# Altium PCB Arduino_FPGA_Shield.PcbDoc (part 1 of 2) (continued)
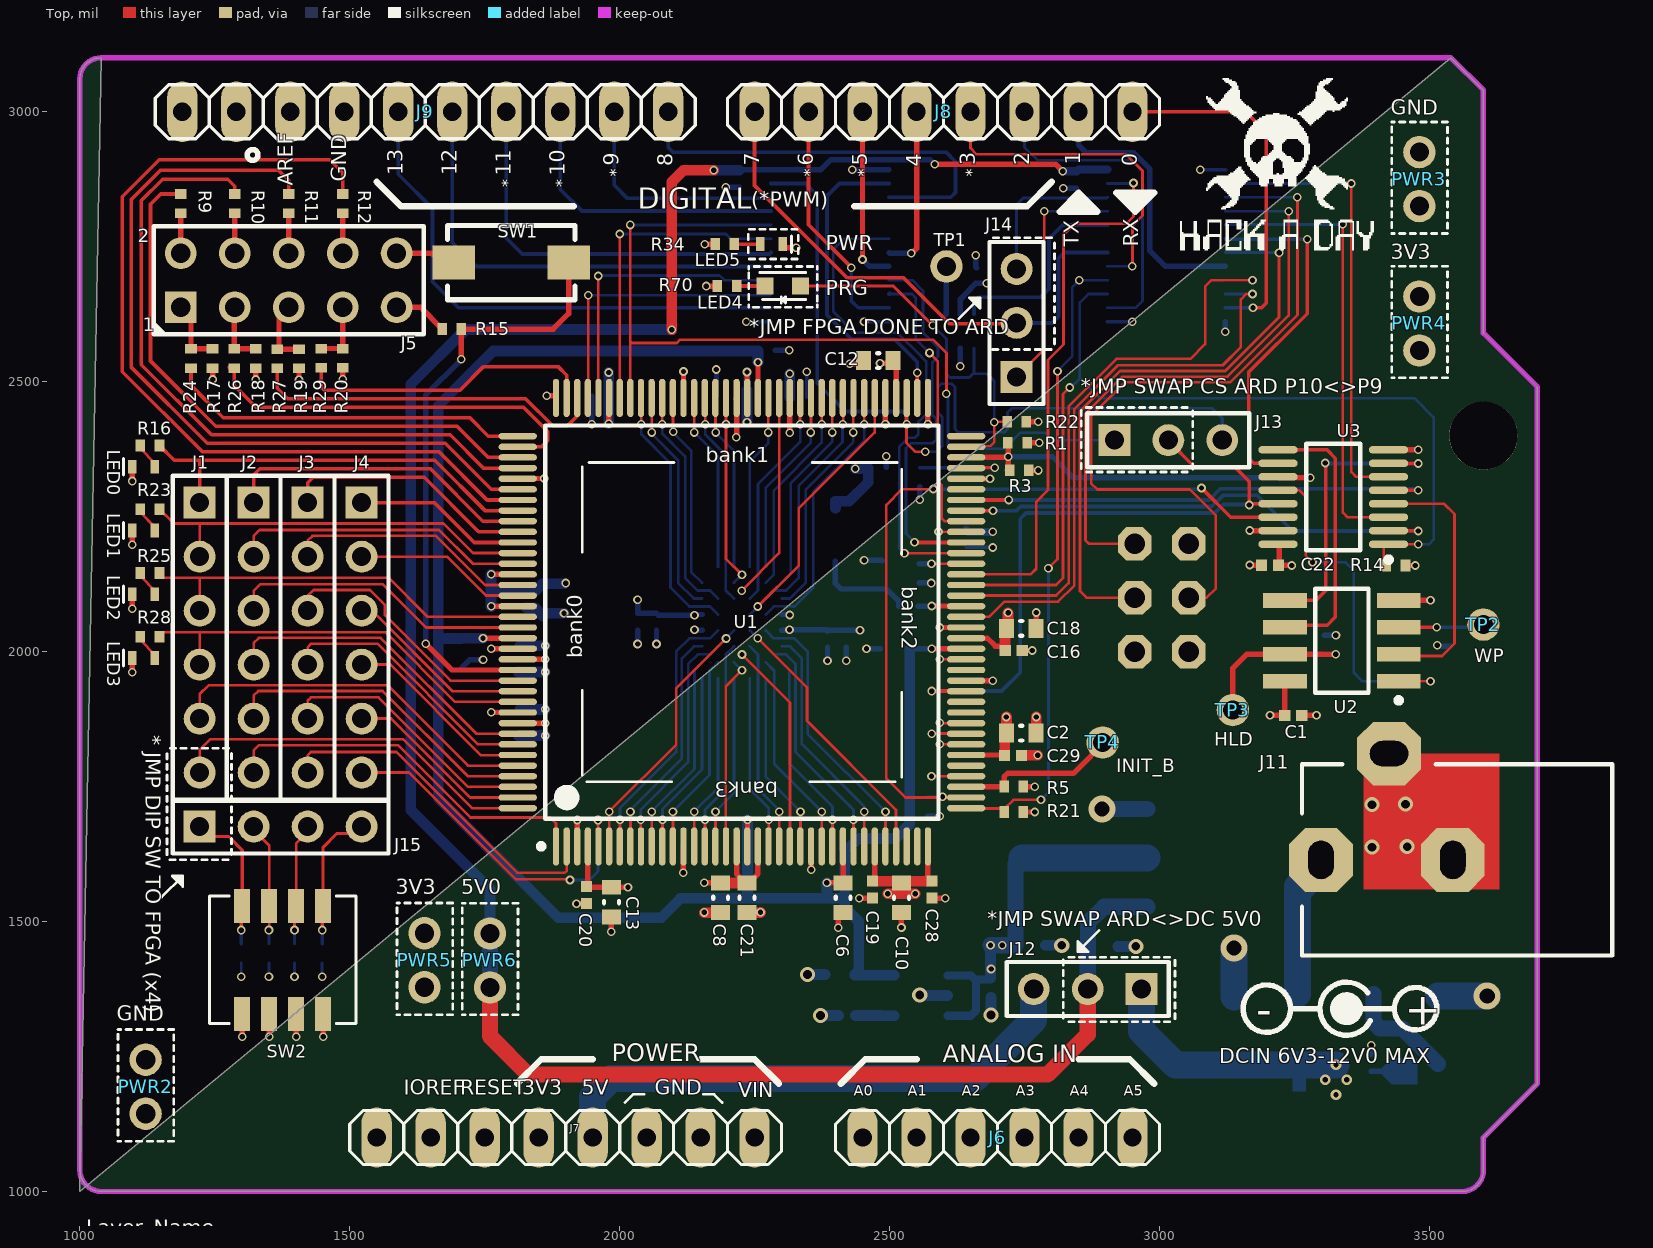
[diagram p0: Top view]
## Footprints (in the part's own frame and the unit in brackets; to place one, negate y for a bottom-side part, rotate by r counter-clockwise, add the part's x,y. Pads: shape width x height; smd on the part's side, far side on the other; paste and mask are expansions set on the pad)
1X06 [mil] "1X06"
  oval 56x112 hole 34: 1(-250,0) 2(-150,0) 3(-50,0) 4(50,0) 5(150,0) 6(250,0)
  silkscreen extent -300,-50 300,50, body extent -300,-50 300,50, height 335
1X08 [mil] "1X08"
  oval 56x112 hole 34: 1(-350,0) 2(-250,0) 3(-150,0) 4(-50,0) 5(50,0) 6(150,0) 7(250,0) 8(350,0)
  silkscreen extent -400,-50 400,50, body extent -400,-50 400,50, height 335
1X10@1 [mil] "1X10@1"
  oval 56x112 hole 34: 1(-450,0) 2(-350,0) 3(-250,0) 4(-150,0) 5(-50,0) 6(50,0) 7(150,0) 8(250,0) 9(350,0) 10(450,0)
  silkscreen extent -500,-50 500,50, body extent -500,-50 500,50, height 335
2X03 [mil] "2X03"
  oct 62x62 hole 38: 1(-100,50) 2(-100,-50) 3(0,50) 4(0,-50) 5(100,50) 6(100,-50)
  silkscreen extent -150,-100 150,100, body extent -150,-100 150,100, height 119
ADTSM32RVTR [mm] "ADTSM32RVTR SWITCH, TACTILE, SPST-NO, 50mA, 12VDC SMD"
  rect 2x1.6 smd: 1(-2.7,0) 2(2.7,0)
  silkscreen extent -3,-1.75 3,1.75, body extent -3.6,-1.75 3.6,1.75, height 4
AVX-CAPC3528_V [mm] "SMT Capacitor, 2 Leads, Body 3.5x2.8mm"
  rect 2x2.2 smd: 1(-1.6,0) 2(1.6,0)
  silkscreen extent -3,-1.7 3.05,1.7, body extent -1.79,-1.54 1.8,1.54, height 1.9
CAPC0402(1005)33_L [mm] "Chip Capacitor, Body 1.0x0.5mm, Height 0.33mm, IPC High Density"
  rect 0.52x0.52 smd: 1(-0.4,0) 2(0.4,0)
  body extent -0.55,-0.3 0.55,0.3, height 0.33
CAPC0402(1005)60_L [mm] "Chip Capacitor, Body 1.0x0.5mm, Height 0.6mm, IPC High Density"
  rect 0.52x0.52 smd: 1(-0.4,0) 2(0.4,0)
  body extent -0.55,-0.3 0.55,0.3, height 0.6
CAPC0603(1608)55_L [mm] "Chip Capacitor, Body 1.6x0.8mm, Height 0.55mm, IPC High Density"
  rect 0.7x0.9 smd: 1(-0.7,0) 2(0.7,0)
  silkscreen extent -0.05,-0.35 0.05,0.35, body extent -0.87,-0.47 0.88,0.48, height 0.55
CHS-04A1 [mm]
  rect 0.76x1.6 smd: 1(1.54,5.54) 2(1.54,0.46) 3(2.81,5.54) 4(2.81,0.46) 5(4.08,5.54) 6(4.08,0.46) 7(5.35,5.54) 8(5.35,0.46)
  silkscreen extent 0,0 6.9,6, body extent 0,-0.2 6.9,6.2, height 2.75
DO-214AC [mm] "SMA, 2-Leads, Body 4.245x2.665mm, Height 2.29mm"
  rect 1.7x1.68 smd: 1(-1.79,0) 2(1.79,0)
  silkscreen extent -2.12,-1.33 2.12,2.06, body extent -2.57,-1.33 2.57,1.33, height 2.29
HDR1X3 [mm] "Connector; Header; 3 Position"
  rect 1.5x1.5 hole 0.9: 1(0,0)
  round 1.5 hole 0.9: 2(2.54,0) 3(5.08,0)
  silkscreen extent -1.27,-1.27 6.35,1.27, body extent -1.17,-1.25 6.45,1.25, height 8.22
HDR1X4 [mm] "Connector; Header; 4 Position"
  rect 1.5x1.5 hole 0.9: 1(0,0)
  round 1.5 hole 0.9: 2(2.54,0) 3(5.08,0) 4(7.62,0)
  silkscreen extent -1.27,-1.27 8.89,1.27, body extent -1.17,-1.25 8.99,1.25, height 8.2
HDR1X6 [mm] "Connector; Header; 6 Position"
  rect 1.5x1.5 hole 0.9: 1(0,0)
  round 1.5 hole 0.9: 2(2.54,0) 3(5.08,0) 4(7.62,0) 5(10.16,0) 6(12.7,0)
  silkscreen extent -1.27,-1.27 13.97,1.27, body extent -1.17,-1.25 14.07,1.25, height 8.2
HDR2X5 [mm] "Connector; Header; 5x2 Position"
  rect 1.5x1.5 hole 0.9: 1(0,0)
  round 1.5 hole 0.9: 2(0,2.54) 3(2.54,0) 4(2.54,2.54) 5(5.08,0) 6(5.08,2.54) 7(7.62,0) 8(7.62,2.54) 9(10.16,0) 10(10.16,2.54)
  silkscreen extent -1.27,-1.27 11.43,3.81, body extent -1.27,-1.27 11.43,3.81, height 8.5
HOSC-L500HW320H105-4_2 [mm] "Quartz Crystal, Body 5.0 x 3.2 mm, Height 1.05mm"
  rect 1.2x0.9 smd: 1(-1.25,-1.1) 2(1.25,-1.1) 3(1.25,1.1) 4(-1.25,1.1)
  silkscreen extent -2.03,-2.28 0.25,1.6, body extent -2.5,-1.6 2.5,1.6, height 1
ISSI-TF-BGA-48-6000X8000DE [mm] "BGA, 48-Balls, Body 8x6mm, Pitch 0.75mm"
  round 0.3 smd: A1(-1.875,2.625) A2(-1.125,2.625) A3(-0.375,2.625) A4(0.375,2.625) A5(1.125,2.625) A6(1.875,2.625) B1(-1.875,1.875) B2(-1.125,1.875) B3(-0.375,1.875) B4(0.375,1.875) B5(1.125,1.875) B6(1.875,1.875) C1(-1.875,1.125) C2(-1.125,1.125) C3(-0.375,1.125) C4(0.375,1.125) C5(1.125,1.125) C6(1.875,1.125) D1(-1.875,0.375) D2(-1.125,0.375) D3(-0.375,0.375) D4(0.375,0.375) D5(1.125,0.375) D6(1.875,0.375) E1(-1.875,-0.375) E2(-1.125,-0.375) E3(-0.375,-0.375) E4(0.375,-0.375) E5(1.125,-0.375) E6(1.875,-0.375) F1(-1.875,-1.125) F2(-1.125,-1.125) F3(-0.375,-1.125) F4(0.375,-1.125) F5(1.125,-1.125) F6(1.875,-1.125) G1(-1.875,-1.875) G2(-1.125,-1.875) G3(-0.375,-1.875) G4(0.375,-1.875) G5(1.125,-1.875) G6(1.875,-1.875) H1(-1.875,-2.625) H2(-1.125,-2.625) H3(-0.375,-2.625) H4(0.375,-2.625) H5(1.125,-2.625) H6(1.875,-2.625)
  silkscreen extent -3.72,-4 3,4, body extent -3,-4 3,4, height 1.1
JMP1X2 [mil]
  round 60 hole 35.5: 1(0,0) 2(0,-100)
  silkscreen extent -51,-151 52,56, body extent -49,-154 49,46, height 323
LDC08A [mm] "PSON, 8-Leads, Body 4x4mm, Pitch 0.8mm, NSC Recommended"
  rect 0.5x0.3 smd paste-0.15 mask+0.051: 1(-1.65,1.2) 2(-1.65,0.4) 3(-1.65,-0.4) 4(-1.65,-1.2) 5(1.65,-1.2) 6(1.65,-0.4) 7(1.65,0.4) 8(1.65,1.2)
  rect 2.2x3 smd paste-1.5 mask+0.051: 9(0,0)
  silkscreen extent -2.88,-2.2 2.2,2.2, body extent -2.05,-2.05 2.05,2.05, height 0.8
LED0603 [mm]
  rect 0.8x0.8 smd: 1(0,0) 2(1.651,0)
  silkscreen extent -0.25,-0.64 1.91,0.8, body extent 0,-0.45 1.7,0.45, height 0.9
LED_0402 [mm]
  rect 0.4x0.65 smd: 1(-0.525,0) 2(0.525,0)
  silkscreen extent 0.94,-0.38 0.94,0.38, body extent -0.52,-0.25 0.48,0.25, height 0.44
ONSC-SOT23-5_M [mm] "SOT23, 5-Leads, Body 2.90x1.6mm, Pitch 0.95mm, IPC Low Density"
  rect 1.6x0.65 smd: 1(-1.25,0.95) 2(-1.25,0) 3(-1.25,-0.95) 4(1.25,-0.95) 5(1.25,0.95)
  silkscreen extent -1.38,1.7 -1.13,1.95, body extent -0.8,-1.45 0.8,1.45, height 1
PJ-102AH [mm]
  oct 3x3 hole 1.2 slot 1.8 at 90 deg: 1(0,0) 2(6.2,0)
  oct 3x3 hole 1.2 slot 1.8 at 0 deg: 3(3.2,5)
  silkscreen extent -0.9,-4.5 13.7,4.5, body extent -0.61,-4.49 13.79,4.91, height 11.02
RESC0402(1005)40_L [mm] "Chip Resistor, Body 1.0x0.5mm, IPC High Density"
  rect 0.45x0.55 smd: 1(-0.45,0) 2(0.45,0)
  body extent -0.52,-0.27 0.53,0.28, height 0.4
RESC0402(1005)_L [mm] "Chip Resistor, Body 1.0x0.5mm, IPC High Density"
  rect 0.45x0.55 smd: 1(-0.45,0) 2(0.45,0)
  body extent -0.52,-0.27 0.53,0.28, height 0.4
SOT230P700X180-4L [mm] "SOT223, 4-Leads, Body 6.50x7.00mm (avg), Pitch 2.30mm, IPC High Density"
  rect 1.9x0.8 smd: 1(-2.95,2.3) 2(-2.95,0) 3(-2.95,-2.3)
  rect 1.9x3.1 smd: 4(2.95,0)
  silkscreen extent -3.08,-3.35 1.7,3.37, body extent -1.85,-3.35 1.85,3.35, height 1.8
SPANSION-SOIC127P600X175-8M [mm] "SOIC, 8-Leads, Body 4.90x3.95mm, Pitch 1.27mm, IPC Low Density"
  rect 2.05x0.7 smd: 1(-2.675,1.905) 2(-2.675,0.635) 3(-2.675,-0.635) 4(-2.675,-1.905) 5(2.675,-1.905) 6(2.675,-0.635) 7(2.675,0.635) 8(2.675,1.905)
  silkscreen extent -2.8,-2.45 1.25,2.93, body extent -3,-2.45 3,2.45, height 1.72
TESTPOINT_TH [mil]
  round 60 hole 35.5: 1(0,0)
TI-DBQ16_N [mm] "SOP, 16-Leads, Body 4.9x3.9mm, Pitch 0.635mm, IPC Medium Density"
  oval 1.85x0.35 smd: 1(-2.6,2.222) 2(-2.6,1.587) 3(-2.6,0.952) 4(-2.6,0.317) 5(-2.6,-0.318) 6(-2.6,-0.953) 7(-2.6,-1.588) 8(-2.6,-2.223) 9(2.6,-2.222) 10(2.6,-1.587) 11(2.6,-0.952) 12(2.6,-0.317) 13(2.6,0.318) 14(2.6,0.953) 15(2.6,1.588) 16(2.6,2.223)
  silkscreen extent -2.73,-2.5 1.28,3.07, body extent -3.01,-2.49 3.01,2.49, height 1.75
TI-DCK6_L [mm] "SOP, 6-Leads, Body 2x1.25mm, Pitch 0.65mm, IPC High Density"
  oval 1.2x0.35 smd: 1(-0.8,0.65) 2(-0.8,0) 3(-0.8,-0.65) 4(0.8,-0.65) 5(0.8,0) 6(0.8,0.65)
  silkscreen extent -0.92,-1.1 0.2,1.5, body extent -1.05,-1 1.05,1, height 0.93
TQG144_N [mm] "Thin QFP, 144-Leads, Body 20x20mm, Pitch 0.5mm, IPC Medium Density"
  oval 1.8x0.3 smd: 1(-10.55,8.75) 2(-10.55,8.25) 3(-10.55,7.75) 4(-10.55,7.25) 5(-10.55,6.75) 6(-10.55,6.25) 7(-10.55,5.75) 8(-10.55,5.25) 9(-10.55,4.75) 10(-10.55,4.25) 11(-10.55,3.75) 12(-10.55,3.25) 13(-10.55,2.75) 14(-10.55,2.25) 15(-10.55,1.75) 16(-10.55,1.25) 17(-10.55,0.75) 18(-10.55,0.25) 19(-10.55,-0.25) 20(-10.55,-0.75) 21(-10.55,-1.25) 22(-10.55,-1.75) 23(-10.55,-2.25) 24(-10.55,-2.75) 25(-10.55,-3.25) 26(-10.55,-3.75) 27(-10.55,-4.25) 28(-10.55,-4.75) 29(-10.55,-5.25) 30(-10.55,-5.75) 31(-10.55,-6.25) 32(-10.55,-6.75) 33(-10.55,-7.25) 34(-10.55,-7.75) 35(-10.55,-8.25) 36(-10.55,-8.75) 73(10.55,-8.75) 74(10.55,-8.25) 75(10.55,-7.75) 76(10.55,-7.25) 77(10.55,-6.75) 78(10.55,-6.25) 79(10.55,-5.75) 80(10.55,-5.25) 81(10.55,-4.75) 82(10.55,-4.25) 83(10.55,-3.75) 84(10.55,-3.25) 85(10.55,-2.75) 86(10.55,-2.25) 87(10.55,-1.75) 88(10.55,-1.25) 89(10.55,-0.75) 90(10.55,-0.25) 91(10.55,0.25) 92(10.55,0.75) 93(10.55,1.25) 94(10.55,1.75) 95(10.55,2.25) 96(10.55,2.75) 97(10.55,3.25) 98(10.55,3.75) 99(10.55,4.25) 100(10.55,4.75) 101(10.55,5.25) 102(10.55,5.75) 103(10.55,6.25) 104(10.55,6.75) 105(10.55,7.25) 106(10.55,7.75) 107(10.55,8.25) 108(10.55,8.75)
  oval 0.3x1.8 smd: 37(-8.75,-10.55) 38(-8.25,-10.55) 39(-7.75,-10.55) 40(-7.25,-10.55) 41(-6.75,-10.55) 42(-6.25,-10.55) 43(-5.75,-10.55) 44(-5.25,-10.55) 45(-4.75,-10.55) 46(-4.25,-10.55) 47(-3.75,-10.55) 48(-3.25,-10.55) 49(-2.75,-10.55) 50(-2.25,-10.55) 51(-1.75,-10.55) 52(-1.25,-10.55) 53(-0.75,-10.55) 54(-0.25,-10.55) 55(0.25,-10.55) 56(0.75,-10.55) 57(1.25,-10.55) 58(1.75,-10.55) 59(2.25,-10.55) 60(2.75,-10.55) 61(3.25,-10.55) 62(3.75,-10.55) 63(4.25,-10.55) 64(4.75,-10.55) 65(5.25,-10.55) 66(5.75,-10.55) 67(6.25,-10.55) 68(6.75,-10.55) 69(7.25,-10.55) 70(7.75,-10.55) 71(8.25,-10.55) 72(8.75,-10.55) 109(8.75,10.55) 110(8.25,10.55) 111(7.75,10.55) 112(7.25,10.55) 113(6.75,10.55) 114(6.25,10.55) 115(5.75,10.55) 116(5.25,10.55) 117(4.75,10.55) 118(4.25,10.55) 119(3.75,10.55) 120(3.25,10.55) 121(2.75,10.55) 122(2.25,10.55) 123(1.75,10.55) 124(1.25,10.55) 125(0.75,10.55) 126(0.25,10.55) 127(-0.25,10.55) 128(-0.75,10.55) 129(-1.25,10.55) 130(-1.75,10.55) 131(-2.25,10.55) 132(-2.75,10.55) 133(-3.25,10.55) 134(-3.75,10.55) 135(-4.25,10.55) 136(-4.75,10.55) 137(-5.25,10.55) 138(-5.75,10.55) 139(-6.25,10.55) 140(-6.75,10.55) 141(-7.25,10.55) 142(-7.75,10.55) 143(-8.25,10.55) 144(-8.75,10.55)
  silkscreen extent -10.67,-9.25 9.25,9.57, body extent -11,-11 11,11, height 1.73
TSOP65P620X120-24N [mm] "TSOP, 24-Leads, Body 7.80x4.35mm, Pitch 0.65mm, IPC Medium Density"
  rect 1.55x0.35 smd mask+0.07: 1(-2.775,3.575) 2(-2.775,2.925) 3(-2.775,2.275) 4(-2.775,1.625) 5(-2.775,0.975) 6(-2.775,0.325) 7(-2.775,-0.325) 8(-2.775,-0.975) 9(-2.775,-1.625) 10(-2.775,-2.275) 11(-2.775,-2.925) 12(-2.775,-3.575) 13(2.775,-3.575) 14(2.775,-2.925) 15(2.775,-2.275) 16(2.775,-1.625) 17(2.775,-0.975) 18(2.775,-0.325) 19(2.775,0.325) 20(2.775,0.975) 21(2.775,1.625) 22(2.775,2.275) 23(2.775,2.925) 24(2.775,3.575)
  silkscreen extent -2.9,-3.95 1.6,4.42, body extent -2.2,-3.95 2.2,3.95, height 1.2

## Part data
C1 C22 C25 C30 C35 C39 C101: library part "CAP 100nF 16V ?0% 0402 (1005 Metric) Thickness 0.6mm SMD"
C2 C5 C6 C7 C8 C9 C10 C11 C12 C13 C14 C15 C18 C21 C33 C34: library part "CAP 4.7uF 10V ?0% 0603 (1608 Metric) Thickness 0.55mm SMD"
C3 C4 C16 C17 C19 C20 C26 C27 C28 C29: library part "CAP 470nF 10V ?0% 0402 (1005 Metric) Thickness 0.6mm SMD"
C23 C24: library part CMP-0279-00001-1, "Capacitor, Tantalum, 10uF 10% 20V MCCT-B (3528)"
C31 C32 C38: library part CMP-1034-01875-1, "CAP 10nF 16V ?0% 0402 (1005 Metric) Thickness 0.33mm SMD"
C36: library part CMP-1034-02119-1, "CAP 1uF 16V ?0% 0402 (1005 Metric) Thickness 0.6mm SMD"
C37: library part CMP-1035-02762-1, "CAP 2.2uF 16V ?0% 0603 (1608 Metric) Thickness 0.55mm SMD"
C60: library part CMP-1034-02064-1, "CAP 100nF 10V ?% 0402 (1005 Metric) Thickness 0.6mm SMD"
D1: "Fairchild S1G General Purpose Rectifier"
J2 J3 J4: library part 6-POS-HDR
J5: "Header, 5-Pin, Dual row"
J6: "Header, 6-Pin"
J7 J8: "Header, 8-Pin"
J9: "Header, 10-Pin"
J10: "Header, 3-Pin, Dual row"
J11: library part POWER-CONNECTOR-3, "Connector, 3 Conductor Power Jack"
J12 J13 J14: "3-Way Jumper - Center Output"
J15: library part 4-POS-HDR
LED0 LED1 LED2 LED3 LED5: library part CMP-0201-0013, "0402 LED,RED"
LED4: "SMD 0603 LED, GREEN"
PWR2 PWR3 PWR4 PWR5 PWR6: library part JMP1X2, "Standard 2 Pin Jumper, 100mil spacing"
R1 R3: library part "0402 (1005 Metric) 1/16 W 100R 1 Thick Film Chip Resistor"
R2 R5 R6 R7 R8 R14 R15 R17 R18 R19 R20 R21 R30 R31 R32 R33: library part "0402 (1005 Metric) 1/16 W 4K7 1 Thick Film Chip Resistor"
R4: library part "0402 (1005 Metric) 1/16 W 1K 1 Thick Film Chip Resistor"
R9 R10 R11 R12 R13 R24 R26 R27 R29: library part "0402 (1005 Metric) 1/16 W 33R 1 Thick Film Chip Resistor"
R16 R23 R25 R28 R34: library part CMP-0503-0059, "0402 (1005 Metric) 1/16 W 270R 1 Thick Film Chip Resistor"
R22: library part "0402 (1005 Metric) 1/16 W 330R 1 Thick Film Chip Resistor"
R70: library part CMP-1011-00369-1, "56R 0.063W 1% 0402 (1005 Metric)  SMD"
SW1: "ADTSM32RVTR SWITCH, TACTILE, SPST-NO, 50mA, 12VDC SMD"
SW2: "SWITCH DIP 4-POS SLIDE SMD 6V"
U1: library part CMP-0067-00454-1, "Spartan-6 LX 1.2V FPGA, 102 User I/Os, 144-Pin TQFP (0.5mm Pitch), Speed Grade 2, Commercial Grade, Pb-Free"
U2: "16-Mbit 3.0V Serial Flash Memory with Uniform 4 kB Sectors"
U3: library part CMP-0267-00001-1, "Low-Voltage 4-Bit 1-Of-2 FET Multiplexer/Demultiplexer, 16-pin SOP (DBQ16)"
U4: library part CMP-0062-01489-2, "1.5A Low Dropout Positive Regulators, 8-pin LLP, Pb-Free"
U5: library part CMP-0513-00111-1, "2 M High Speed Asynchronous CMOS SRAM, 128 K x 16, -40 to 85 degC, 48-Pin BGA (TF-BGA-48), Pb-Free"
U6: "AP2114, 1A Low Dropout Positive Fixed 3V3 Regulator"
U7: "Fixed Low Drop Positive Voltage Regulator, 1.2V 5-Pin TSOT-23, Tape and Reel"
U8 U9: "10-BIT FET BUS SWITCH WITH LEVEL SHIFTING"
U15: "IC BUFFER DUAL NON-INV SC706"
X2: library part "OSCILLATOR 20.0000MHZ SMD"

## Free pads (board coordinates)
  round 126 hole 126: 1(3600,2400)

## Via types
v1: diameter 16, hole 10, Top to Bottom, tented both sides, 138 vias
v2: diameter 16, hole 10, Top to Bottom, 95 vias
v3: diameter 28, hole 16, Top to Bottom, 10 vias
v4: diameter 15.94, hole 10, Top to Bottom, tented both sides, 8 vias
v5: diameter 19.68, hole 10, Top to Bottom, 4 vias
v6: diameter 50, hole 28, Top to Bottom, 3 vias

## Nets (pads, with @x,y where several pads share a name; then routed paths per layer and width w, separated by ;. In a path a pad name is that pad's centre, name@x,y a point inside that pad or via, vN(x,y) a via of type N, cw(c..) or ccw(c..) an arc to the next point about the centre after c; other vN are vias at no path point)
1V2: C6.1 C7.1 C15.1 C26.1 C37.2 U1.19 U1.28 U1.52 U1.89 U1.128 U7.5 | length 3650.9
  Top w10: v1(1746.88,2024.96) U1.128@1811.13,2024.96 ; U1.19@2236.85,1639.65 v1(2236.85,1688.59) ; U1.89@2255.7,2470.36 2256.22,2470.36 v1@2256.22,2534.3 ; v1(2384,1572) 2384.44,1571.56 C6.1@2414,1571.56 2414,1638.83 U1.28@2413.6,1639.24 ; v1(2578,2005) 2578.38,2005.38 U1.52@2641.94,2005.38
  Bottom w10: C7.1@2537.56,2005 v1(2578,2005)
  Bottom w20: 1666,2024.56 C15.1@1707,2024.56 ; C15.1@1713.6,2024.96 v1(1746.88,2024.96) ; v1(2236.85,1688.59) 2236.85,1543 ; v1(2256.22,2536.25) 2256.22,2557.09 1765.75,2557.09 1664,2455.34 1664,1729.05 1886.16,1506.89 2076.89,1506.89 2113,1543 2236.85,1543 ; v1(2384,1572) 2384.04,1543 ; C37.2@2435.56,1400.4 U7.5@2508.79,1400.4 ; C37.2@2435.56,1402 2443,1409.44 2443,1499.91 2417,1525.91 2417,1543 ; C7.1@2537.56,2005 2537.56,1680.56 2511,1654 2442,1654 2417,1629 2417,1543 ; 2236.85,1543 2384.04,1543 ; 2384.04,1543 2417,1543
3V3: C1.1 C2.1 C3.2 C4.2 C5.1 C8.1 C9.1 C10.1 C11.1 C12.1 C13.1 C14.2 C16.2 C17.2 C18.2 C19.2 C20.2 C21.2 C22.1 C25.1 C27.1 C28.2 C29.2 C30.1 C31.1 C32.1 C34.1 C36.2 C60.2 C101.1 J5.9 PWR4.1 PWR4.2 PWR5.1 PWR5.2 R1.2 R2.2 R5.2 R6.2 R7.2 R8.2 R15.2 R17.2 R18.2 R19.2 R20.2 R21.2 R22.2 R30.2 R31.2 R32.2 R33.2 R34.1 U1.4 U1.18 U1.20 U1.31 U1.36 U1.42 U1.53 U1.63 U1.76 U1.86 U1.90 U1.103 U1.122 U1.125 U1.129 U1.135 U2.8 U3.16 U5.D6 U5.E1 U6.2 U6.4 U7.1 U7.3 U15.5 X2.4 | length 4171.7
  Top w5: U1.90@2236.02,2469.53 U1.90@2236.12,2469.63 ; v4@2590.55,2221.91 U1.63@2641.94,2221.91 ; U1.63@2641.94,2222.54 U1.63@2642.15,2222.54
  Top w10: v2(1246,2504) R17.2@1246,2525.28 ; v2(1326,2504) R18.2@1326,2525.28 ; v2(1406,2503.72) R19.2@1406,2525 ; v2(1487,2504.72) R20.2@1487,2526 ; J5.9@1587,2638 1630.7,2638 R15.2@1671.26,2597.44 ; v4(1762,1888) 1762.73,1887.27 U1.135@1811.24,1887.27 ; v4(1761.98,2005.06) U1.129@1810.92,2005.06 ; v4(1761.98,2083.8) U1.125@1810.92,2083.8 ; v4(1762.3,2143.17) U1.122@1811.24,2143.17 ; C20.2@1939,1564.75 1941.16,1566.91 U1.4@1941.16,1639.24 ; C20.2@1940.19,1563.56 C13.1@1985,1563.56 v1(2015.44,1563.56) ; v4(1980,2422) 1980,2469.42 U1.103@1980.53,2469.95 ; v1(2157,1572) 2157.44,1571.56 C8.1@2187,1571.56 ; v2(2157.48,2754.92) R34.1@2177.17,2754.92 ; U1.18@2216.75,1639.24 2216.75,1588.25 2230,1575 2243.02,1575 2256.02,1588 U1.20@2256.02,1639.13 ; U1.90@2236,2469.54 v4(2236,2518) ; v4(2315.07,2405.59) U1.86@2315.07,2469.84 ; C19.2@2472.65,1581.09 U1.31@2472.65,1639.24 ; v2(2482.28,2534.45) 2502.01,2534.45 C12.1@2506.56,2539 C12.1@2512.02,2533.54 ; U1.76@2512.02,2469.95 C12.1@2512.02,2533.54 ; C12.1@2512.09,2533.46 C12.1@2512.02,2533.54 ; 2561.25,1575 2571.08,1584.83 U1.36@2571.08,1639.24 ; U1.42@2641.94,1808.53 C29.2@2713.25,1808.53 ; U1.53@2641.94,2025.06 2680.94,2025.06 2695.87,2010.13 2706.13,2010.13 C16.2@2714,2002.25 ; C29.2@2712.72,1808.53 C29.2@2713.25,1808 ; R21.2@2747.72,1703 v1(2769,1703) ; R5.2@2747.72,1750 v1(2769,1750) ; R22.2@2753.43,2426 v1(2775.72,2426) ; R1.2@2754.72,2387 v1(2777,2387) ; v2(3204.72,1882.06) C1.1@3231.98,1882.06 3231.98,1944.62 U2.8@3232.41,1945.06 ; U3.16@3219.49,2198.92 3221.72,2196.68 C22.1@3221.72,2158.02 ; C22.1@3220.74,2159.99 3244.54,2159.99 v2(3245.08,2159.45)
  Top w20: C8.1@2187,1571.56 C21.2@2236,1571.56 ; C19.2@2468,1574.75 C10.1@2518.81,1574.75 ; v1(2496.44,1551.56) 2522,1551.56 ; v1(2547.56,1551.56) 2522,1551.56 ; C28.2@2579,1574.75 C10.1@2518.81,1574.75 ; C29.2@2713.25,1808.53 2713.25,1845.81 C2.1@2716.44,1849 v1(2716.44,1878.89) ; C16.2@2714,2002.25 2714,2040.56 2719.49,2042.32 v1(2719.49,2071.76) ; C10.1@2518.81,1574.75 C10.1@2522,1571.56 2522,1551.56
  Bottom w5: v2(1299.21,1397.64) R30.2@1299.21,1423.23 ; v2(1350.39,1397.64) R31.2@1350.39,1423.23 ; v2(1397.64,1397.64) R32.2@1397.64,1423.23 ; v2(1448.82,1397.64) R33.2@1448.82,1423.23 ; v4(2590.55,2222) 2639.25,2222 C17.2@2642,2224.75
  Bottom w10: v4(1762,1888) 1810.25,1888 C9.1@1815.25,1893 ; v4(1761.98,2005.06) 1809.32,2005.06 C11.1@1815.25,2011 ; v1(2033.18,2096.18) 2033.18,2070.93 2068.18,2070.93 2071.52,2067.59 v1(2138.59,2067.59) ; v1@2138.76,2068.76 U5.E1@2152.65,2068.76 ; U5.D6@2300.29,2039.24 v1@2314.24,2039.24 ; v1(2314.59,2040.59) 2381.66,2040.59 C32.1@2385,2037.25 ; v4@2314.74,2405.93 C3.2@2314.74,2470.48 ; C32.1@2385,2039.75 C25.1@2420,2039.75 v1(2445.25,2039.75) ; v1@2555,2282 2556,2283 R2.2@2556,2305.28 ; R6.2@2571,1695.28 2593.28,1695.28 v1(2593,1695) ; U15.5@2630.91,2625 2630.91,2652.56 2659.45,2682.09 v2(2680.12,2682.09) ; R8.2@3305.43,2030.58 v2(3326.84,2030.58) ; v2(3514.76,2011.81) 3516.73,2009.84 R7.2@3538.39,2009.84
  Bottom w13: C5.1@2236,2484 v4(2236,2518) ; v4@2314.74,2405.93 v4(2315.07,2405.59) ; C3.2@2314.74,2470.48 C3.2@2315.25,2471
  Bottom w15: U7.3@2607.21,1325.6 2650.6,1325.6 2660,1335 2660,1391 2650.6,1400.4 U7.1@2607.21,1400.4 ; C17.2@2642,2224.75 2645,2221.75 v1@2691,2221.75 ; 2658,1393 C36.2@2686.25,1393
  Bottom w20: v4(1761.98,2083.8) 1761.98,2114 ; v4@1761.98,2142.86 1761.98,2114 ; C9.1@1815.25,1893 v1(1862,1893) ; C11.1@1815.25,2011 v1(1862,2011) ; v1@1897.44,2125.56 C14.2@1870,2125.56 1857,2125.56 1844.19,2112.75 C27.1@1827,2112.75 1763.24,2112.75 1761.98,2114 ; v4(1980,2422) C4.2@1980,2473.35 v1(1980,2517) ; v1(2236,2425) C5.1@2236,2484 ; C3.2@2315.25,2471 v1(2315.25,2514.65) ; X2.4@2399.69,2266.21 2399.69,2278.44 2425.09,2278.44 2460.33,2313.67 2460.33,2339.07 v1(2436.52,2339.07) ; C36.2@2687,1395.25 v2(2687,1456)
  Bottom w30: v2(2687,1456) C34.1@2733.44,1456 2733.44,1606.58 U6.4@2744.86,1618
  Bottom w50: U6.4@2744.86,1618 U6.2@2977.14,1618
  other v1: 1900,2127 2691,2222 2556,2281
  other v2: 2688,1412.19 2708.44,1456
5V0: C33.1 C35.2 C39.2 J12.2 PWR6.1 PWR6.2 U6.3 U8.24 U9.24 | length 4398.7
  Top w10: v2(2583.66,2902.56) 2808.07,2902.56 v2(2820.87,2889.76)
  Top w20: v2(2096.46,2596.46) 2096.46,2870.08 2118.11,2891.73 v2(2174.21,2891.73)
  Top w30: PWR6.2@1759.84,1377.95 1759.84,1287.4 1830.71,1216.54 2792.54,1216.54 2867,1291 J12.2@2867,1375
  Bottom w10: C39.2@2221.46,2891.73 2222.44,2892.72 U9.24@2280.51,2892.72 2373.03,2892.72 2391.62,2911.3 2574.92,2911.3 v2(2583.66,2902.56)
  Bottom w15: v2@2820.87,2888.78 v2(2820.87,2889.76) C35.2@2845.47,2889.76 2847.44,2889.76 2850.39,2892.72 U8.24@2903.54,2892.72
  Bottom w20: PWR6.1@1759.84,1477.95 1759.84,1560.04 1613.19,1706.69 1613.19,2495.08 1714.57,2596.46 v2(2096.46,2596.46) ; v2(2174.21,2891.73) C39.2@2221.46,2891.73
  Bottom w30: PWR6.2@1759.84,1377.95 PWR6.1@1759.84,1477.95 ; J12.2@2867,1375 2867,1455.56 C33.1@2867.44,1456 2867.44,1497.44 2897.45,1527.45 U6.3@2977.14,1527.45
5V0_ARD: J7.5 J12.3 | length 1008.2
  Bottom w50: J7.5@1950,1100 1950,1175 1984,1209 2658,1209 2767,1318 J12.3@2767,1375
5V0_REG: C23.1 J12.1 U4.6 U4.7 U4.8 U4.9 | length 463.5
  Bottom w50: J12.1@2967,1375 2967,1297 3029.99,1234.01 C23.1@3138,1234.01 3246,1234.01 ; 3246.55,1234.56 v5(3327,1234.56)
  other v5: 3327,1179.44 3307.32,1207 3346.68,1207
#HARD_TCK: R24.2 U1.109 | length 676.4
  Top w6.69: R24.2@1206,2525.28 1206,2493 1265.93,2433.07 1722.77,2433.07 1756.77,2399.08 U1.109@1811.24,2399.08
#HARD_TDI: R26.2 U1.110 | length 732.9
  Top w6.69: R26.2@1286,2525.28 1286,2493 1326.24,2452.76 1821.85,2452.76 1867,2407.61 1867,2391 1855.39,2379.39 U1.110@1811.24,2379.39
  Top w10: R26.2@1279,2526.47 R26.2@1284,2521.47
#HARD_TDO: R27.2 U1.106 | length 662.3
  Top w6.69: R27.2@1366,2525 1366,2488 1385.5,2468.5 1825.79,2468.5 1875.98,2418.31 1903.31,2418.31 1921.47,2436.47 U1.106@1921.47,2469.95
#HARD_TMS: R29.2 U1.107 | length 562.8
  Top w6.69: R29.2@1447,2526 1447,2490 1452.75,2484.25 1704.25,2484.25 1748,2528 1885.79,2528 1901.79,2512 U1.107@1901.79,2469.95
  Top w10: R29.2@1445,2524 R29.2@1447,2526
#SOFT_TCK: R10.2 U1.112 | length 1289.5
  Top w6.69: R10.2@1287,2847.72 1287,2862 1274,2875 1153.54,2875 1114,2835.46 1114,2531.67 1244.09,2401.57 1686.02,2401.57 1747.57,2340.02 U1.112@1811.24,2340.02
#SOFT_TDI: R11.2 U1.114 | length 1467.2
  Top w6.69: R11.2@1387,2847.72 1387,2873 1368.27,2891.73 1149.61,2891.73 1095.65,2837.78 1095.65,2526.39 1236.22,2385.83 1677.17,2385.83 1762.34,2300.65 U1.114@1811.24,2300.65
#SOFT_TDO: R12.2 U1.115 | length 1640.6
  Top w6.69: R12.2@1487,2847.72 1487,2887 1463,2911 1147.22,2911 1078.74,2842.52 1078.74,2518.7 1227.36,2370.08 1665.35,2370.08 1754.46,2280.97 U1.115@1811.24,2280.97
#SOFT_TMS: R9.2 U1.111 | length 1108.6
  Top w6.69: R9.2@1187,2847.72 1149.88,2847.72 1131,2828.83 1131,2538.29 1251.97,2417.32 1698.82,2417.32 1756.43,2359.71 U1.111@1811.24,2359.71
ALT_DONE: J14.3 U8.22 | length 292.9
  Bottom w5: J14.3@2735.24,2708.86 2735.24,2827.76 2747.62,2840.14 2902.15,2840.14 U8.22@2903.54,2841.54
ALT_DONEX: U1.59 U8.23 | length 1028.7
  Top w5: U1.59@2641.94,2143.17 2761.28,2143.17 2771.65,2153.54 2771.65,2277.56 2793.31,2299.21 2793.31,2540.29 2822.28,2569.27 2822.28,2772.09 2842.52,2792.32 2937.99,2792.32 2951.77,2806.1 v2(2951.77,2868.11) v2@2951.77,2869.09
  Bottom w5: U8.23@2903.54,2867.13 2950.79,2867.13 v2(2951.77,2868.11)
ARD_A0: J6.1
ARD_A1: J6.2
ARD_A2: J6.3
ARD_A3: J6.4
ARD_A4: J6.5
ARD_A5: J6.6
ARD_AREF: J9.8
ARD_D0(RX): J8.1 U8.11 | length 659
  Top w7: J8.1@2950,3000 3159.45,3000 3197.67,2961.78 3197.67,2645.51 3188.98,2636.81 v2(3173.23,2636.81)
  Bottom w7: U8.11@3122.05,2636.81 v2(3173.23,2636.81)
ARD_D0(RX)X: U1.55 U8.10 | length 1071.5
  Top w5: U1.55@2641.94,2064.43 2684.51,2064.43 2712.6,2092.52 2811.94,2092.52 2842.2,2122.78 2842.2,2449.55 2923.16,2530.51 3117.13,2530.51 3150.59,2563.98 3150.59,2652.56 3160.43,2662.4 v2(3172.24,2662.4)
  Bottom w5: U8.10@3122.05,2662.4 v2(3172.24,2662.4)
ARD_D1(TX): J8.2 U8.8 | length 515.6
  Bottom w10: J8.2@2850,3000 2850,2938.39 2864.17,2924.21 2951.77,2924.21 2982.28,2893.7 2982.28,2742.13 3010.83,2713.58 U8.8@3122.05,2713.58
ARD_D1(TX)X: U1.57 U8.9 | length 1076.2
  Top w5: U1.57@2641.94,2103.8 2808.53,2103.8 2831.81,2127.09 2831.81,2453.86 2920.28,2542.32 3057.09,2542.32 3084.65,2569.88 3084.65,2676.18 3096.46,2687.99 v2(3172.24,2687.99)
  Bottom w5: U8.9@3122.05,2687.99 v2(3172.24,2687.99)
ARD_D4: J8.5 U9.7 | length 308.4
  Top w10: v2(2540.35,2738.19) 2541.6,2738.19 2541.46,2738.32 2550,2746.86 J8.5@2550,3000
  Bottom w10: U9.7@2499.02,2739.17 2500,2738.19 v2(2540.35,2738.19)
ARD_D4X: U1.61 U9.6 | length 939.4
  Top w5: v2(2527.56,2182.09) 2641.49,2182.09 U1.61@2641.94,2182.54
  Bottom w5: U9.6@2499.02,2764.76 2415.35,2764.76 2395.67,2745.08 2395.67,2629.92 2435.04,2590.55 2514.84,2590.55 2558.05,2547.34 2558.05,2546.69 2567.36,2537.38 2568.01,2537.38 2568.07,2537.32 2568.07,2440.48 2555.18,2427.59 2555.18,2427.23 2553.15,2425.2 2553.15,2402.56 2546.96,2396.37 2535.21,2396.37 2517.72,2378.87 2517.72,2191.93 v2(2527.56,2182.09)
ARD_D5: J8.6 U9.8 | length 328.2
  Top w10: v2(2449.8,2726.38) 2449.8,2999.8 J8.6@2450,3000
  Bottom w10: v2(2449.8,2726.38) 2462.6,2713.58 U9.8@2499.02,2713.58
ARD_D5X: U1.62 U9.9 | length 705.4
  Top w7: v2(2546.26,2202.76) 2546.79,2202.23 U1.62@2641.94,2202.23
  Bottom w5: U9.9@2499.02,2687.99 2542.32,2687.99 2562.01,2668.31 2562.01,2591.27 2589.84,2563.44 2589.84,2546.69 2579.03,2535.88 2579.03,2438.69 2586.97,2430.74 2586.97,2393.07 2579.87,2385.97 2539.52,2385.97 2530.51,2376.97 2530.51,2218.5 v2(2546.26,2202.76)
ARD_D6: J8.7 U9.11 | length 462.5
  Top w7: J8.7@2350,3000 2350,2790.87 v2@2429.25,2711.61 ; v2(2429.25,2710.76) 2430.12,2711.63 v2@2430.12,2713.58
  Bottom w7: v2(2429.25,2710.76) 2429.25,2711.5 2429.13,2711.61 2429.13,2649.61 2441.93,2636.81 U9.11@2499.02,2636.81
ARD_D6X: U1.64 U9.10 | length 535.8
  Top w5: v2@2573.94,2556.23 v2(2573.94,2553.27) 2589.42,2537.8 2589.42,2315.06 2596.73,2307.76 2596.73,2294.59 2596.46,2294.32 2596.46,2247.05 2601.91,2241.6 U1.64@2641.94,2241.6
  Bottom w5: U9.10@2499.02,2662.4 2541.34,2662.4 2548.23,2655.51 2548.23,2578.99 v2(2573.94,2553.27) v2@2573.94,2556.23
  Bottom w7: U9.10@2499.02,2662.4 U9.10@2500,2663.39
ARD_D7: J8.8 J14.2 U8.18 | length 1023.4
  Top w7: J8.8@2250,3000 2250,2863.55 2421.04,2692.51 2525.99,2692.51 2611.22,2607.28 2733.66,2607.28 J14.2@2735.24,2608.86 ; J14.2@2738.19,2611.81 J14.2@2745.08,2604.92
  Bottom w7: J14.2@2735.24,2608.86 2800.79,2608.86 2812.99,2621.06 2812.99,2728.35 2823.82,2739.17 U8.18@2903.54,2739.17
ARD_D7X: U8.19
ARD_D8: J9.1 U9.3 | length 793
  Bottom w7: J9.1@2090,3000 2090,2933.62 2098.43,2925.2 2604.33,2925.2 2622.05,2907.48 2622.05,2850.39 2613.19,2841.54 U9.3@2499.02,2841.54
ARD_D8X: U1.74 U9.2 | length 614.3
  Top w7: v2(2551.18,2516.73) 2551.18,2470.16 U1.74@2551.39,2469.95
  Bottom w7: U9.2@2499.02,2867.13 2407.48,2867.13 2384.28,2843.92 2384.28,2623.79 2429.91,2578.16 2509.71,2578.16 2551.18,2536.69 v2(2551.18,2516.73)
ARD_D11: J9.4 U9.18 | length 737.8
  Bottom w7: J9.4@1790,3000 1790,2766.1 1819.57,2736.53 2277.87,2736.53 U9.18@2280.51,2739.17
ARD_D11X: U1.102 U9.19 | length 588.3
  Top w5: v2(2000,2773.62) 2000,2470.16 U1.102@2000.21,2469.95
  Bottom w5: v2(2000,2773.62) 2000.16,2773.46 2051.29,2773.46 2051.45,2773.62 2196.74,2773.62 2205.59,2764.76 U9.19@2280.51,2764.76 U9.19@2280.67,2764.93
ARD_D12: J9.5 U9.17 | length 851
  Bottom w7: J9.5@1690,3000 1690,2757.83 1734.25,2713.58 U9.17@2280.51,2713.58
ARD_D12X: U1.104 U9.16 | length 557.3
  Top w5: v2(1960.63,2695.87) 1959.65,2696.85 1960.63,2697.83 1960.63,2470.16 U1.104@1960.84,2469.95
  Bottom w5: v2(1960.63,2695.87) 1959.65,2696.85 2185.04,2696.85 2192.91,2688.98 2192.91,2687.99 U9.16@2280.51,2687.99
ARD_D13: J9.6 U9.14 | length 988.2
  Bottom w7: J9.6@1590,3000 1590,2884.41 1653.54,2820.87 1653.54,2685.04 1701.77,2636.81 U9.14@2280.51,2636.81
ARD_D13X: U1.105 U9.15 | length 530.2
  Top w5: U1.105@1941.16,2469.95 1941.77,2470.56 v2(1941.77,2660.27)
  Bottom w5: v2(1941.77,2660.27) 2278.38,2660.27 U9.15@2280.51,2662.4
ARD_IOREF: J7.2
ARD_RESET: J7.3
CCLK: R1.1 R3.2 U1.70 U3.11 | length 767.2
  Top w10: U1.70@2641.94,2359.71 2642.47,2360.24 2719.24,2360.24 v1(2720,2361) ; R3.2@2718.28,2336 2720,2337.72 v1(2720,2361) ; R1.1@2719.28,2387 2720,2386.28 v1(2720,2361) ; U3.11@3219.49,2323.92 3221.56,2321.85 v2(3279.53,2321.85)
  Bottom w10: v1(2720,2361) 2801.4,2361 2840.55,2321.85 v2(3279.53,2321.85)
CS_ARD_ALT_N: J9.2 U9.22 | length 437.2
  Bottom w7: J9.2@1990,3000 1990,2864.33 2014.72,2839.61 2278.58,2839.61 U9.22@2280.51,2841.54
CS_ARD_ALT_NX: J13.3 U1.75 U9.23 | length 1619.5
  Top w5: v2(2531.5,2421.26) 2531.5,2386.81 2548.23,2370.08 v2(2565.94,2370.08)
  Top w7: v2(2531.5,2421.26) 2531.5,2469.73 U1.75@2531.71,2469.95
  Bottom w5: v2(2565.94,2370.08) 2586.61,2370.08 2597.37,2380.83 2597.37,2435.05 2589.57,2442.85 2589.57,2470.63 2589.42,2470.78 2589.42,2490.01 2595.47,2496.06 2615.16,2496.06 2621.21,2490.01 2621.21,2412.26 2627.11,2406.35 2712.45,2406.35 2718.5,2412.4 2718.5,2442.91 2726.38,2450.79 2836.9,2450.79 3097.44,2450.79 3116.34,2431.89
  Bottom w7: U9.23@2280.51,2867.13 2344.49,2867.13 2366.14,2845.47 2366.14,2497.05 2418.31,2444.88 2525.59,2444.88 2531.5,2438.98 v2(2531.5,2421.26) ; J13.3@3116.34,2391.73 3116.34,2431.89
CS_ARD_N: J13.2 U1.48 U3.13 | length 1256.5
  Top w7: v1(2578.01,1926.95) U1.48@2642.26,1926.95 ; J13.2@3025.75,2382.32 J13.2@3016.34,2391.73 3015.75,2391.14 3066.34,2340.55 3140.75,2340.55 3166.34,2314.96 v2(3166.34,2271.65) 3168.6,2273.92 U3.13@3219.49,2273.92
  Bottom w7: v1(2578.01,1926.95) 2707.46,1926.95 2742.13,1961.61 2742.13,2246.06 2752.7,2256.64 3102.07,2256.64 3107.24,2261.81 3118.06,2272.64 3165.35,2272.64 v2(3166.34,2271.65)
CS_ARD_STD_N: J9.3 U9.21 | length 551.1
  Bottom w7: J9.3@1890,3000 1890,2856.06 1930.12,2815.94 U9.21@2280.51,2815.94
CS_ARD_STD_NX: J13.1 U1.101 U9.20 | length 1682
  Top w5: U1.101@2019.9,2469.95 v2@2019.9,2790.35 ; 2019.9,2574.59 2022.89,2571.59 2105.94,2571.59 2112.1,2577.76 2580.71,2577.76 2605.32,2553.15 v2(2605.32,2477.36)
  Bottom w5: v2(2019.68,2790.35) U9.20@2280.51,2790.35 ; v2(2605.32,2477.36) 2608.27,2474.41 2608.27,2380.91 2613.19,2375.98 2712.51,2375.98 2741.87,2405.35 2788.55,2405.35 2802.17,2391.73 J13.1@2916.34,2391.73
CS_FL_N: U2.1 U3.12 | length 662.9
  Top w5: U3.12@3219.49,2298.92 3259.15,2298.92 3270.67,2287.4 3270.67,2178.15 v2(3283.46,2165.35) ; U2.1@3443.04,1945.06 3501.8,1945.06 v2(3501.97,1944.88)
  Bottom w5: v2(3283.46,2165.35) 3344.65,2165.35 3360,2150 3360,1960.87 3375.98,1944.88 v2(3501.97,1944.88)
CSO_B_FPGA: R6.1 U1.38 U3.14 | length 1456.8
  Top w5: v1(2580.83,2301.17) 2580.66,2301 2523,2301 2494,2272 2494,1765 2529.21,1729.79 U1.38@2641.94,1729.79
  Top w6.69: v2(3077.76,2303.15) 3131.99,2248.92 U3.14@3219.49,2248.92
  Bottom w5: R6.1@2571,1730.72 2571.28,1731 v1(2598,1731)
  Bottom w6.69: v1(2580.83,2301.17) 2581.01,2301 v2@3077.76,2301